# Altium PCB CSU RevA_ASCII.PcbDoc (part 2 of 5) (continued)
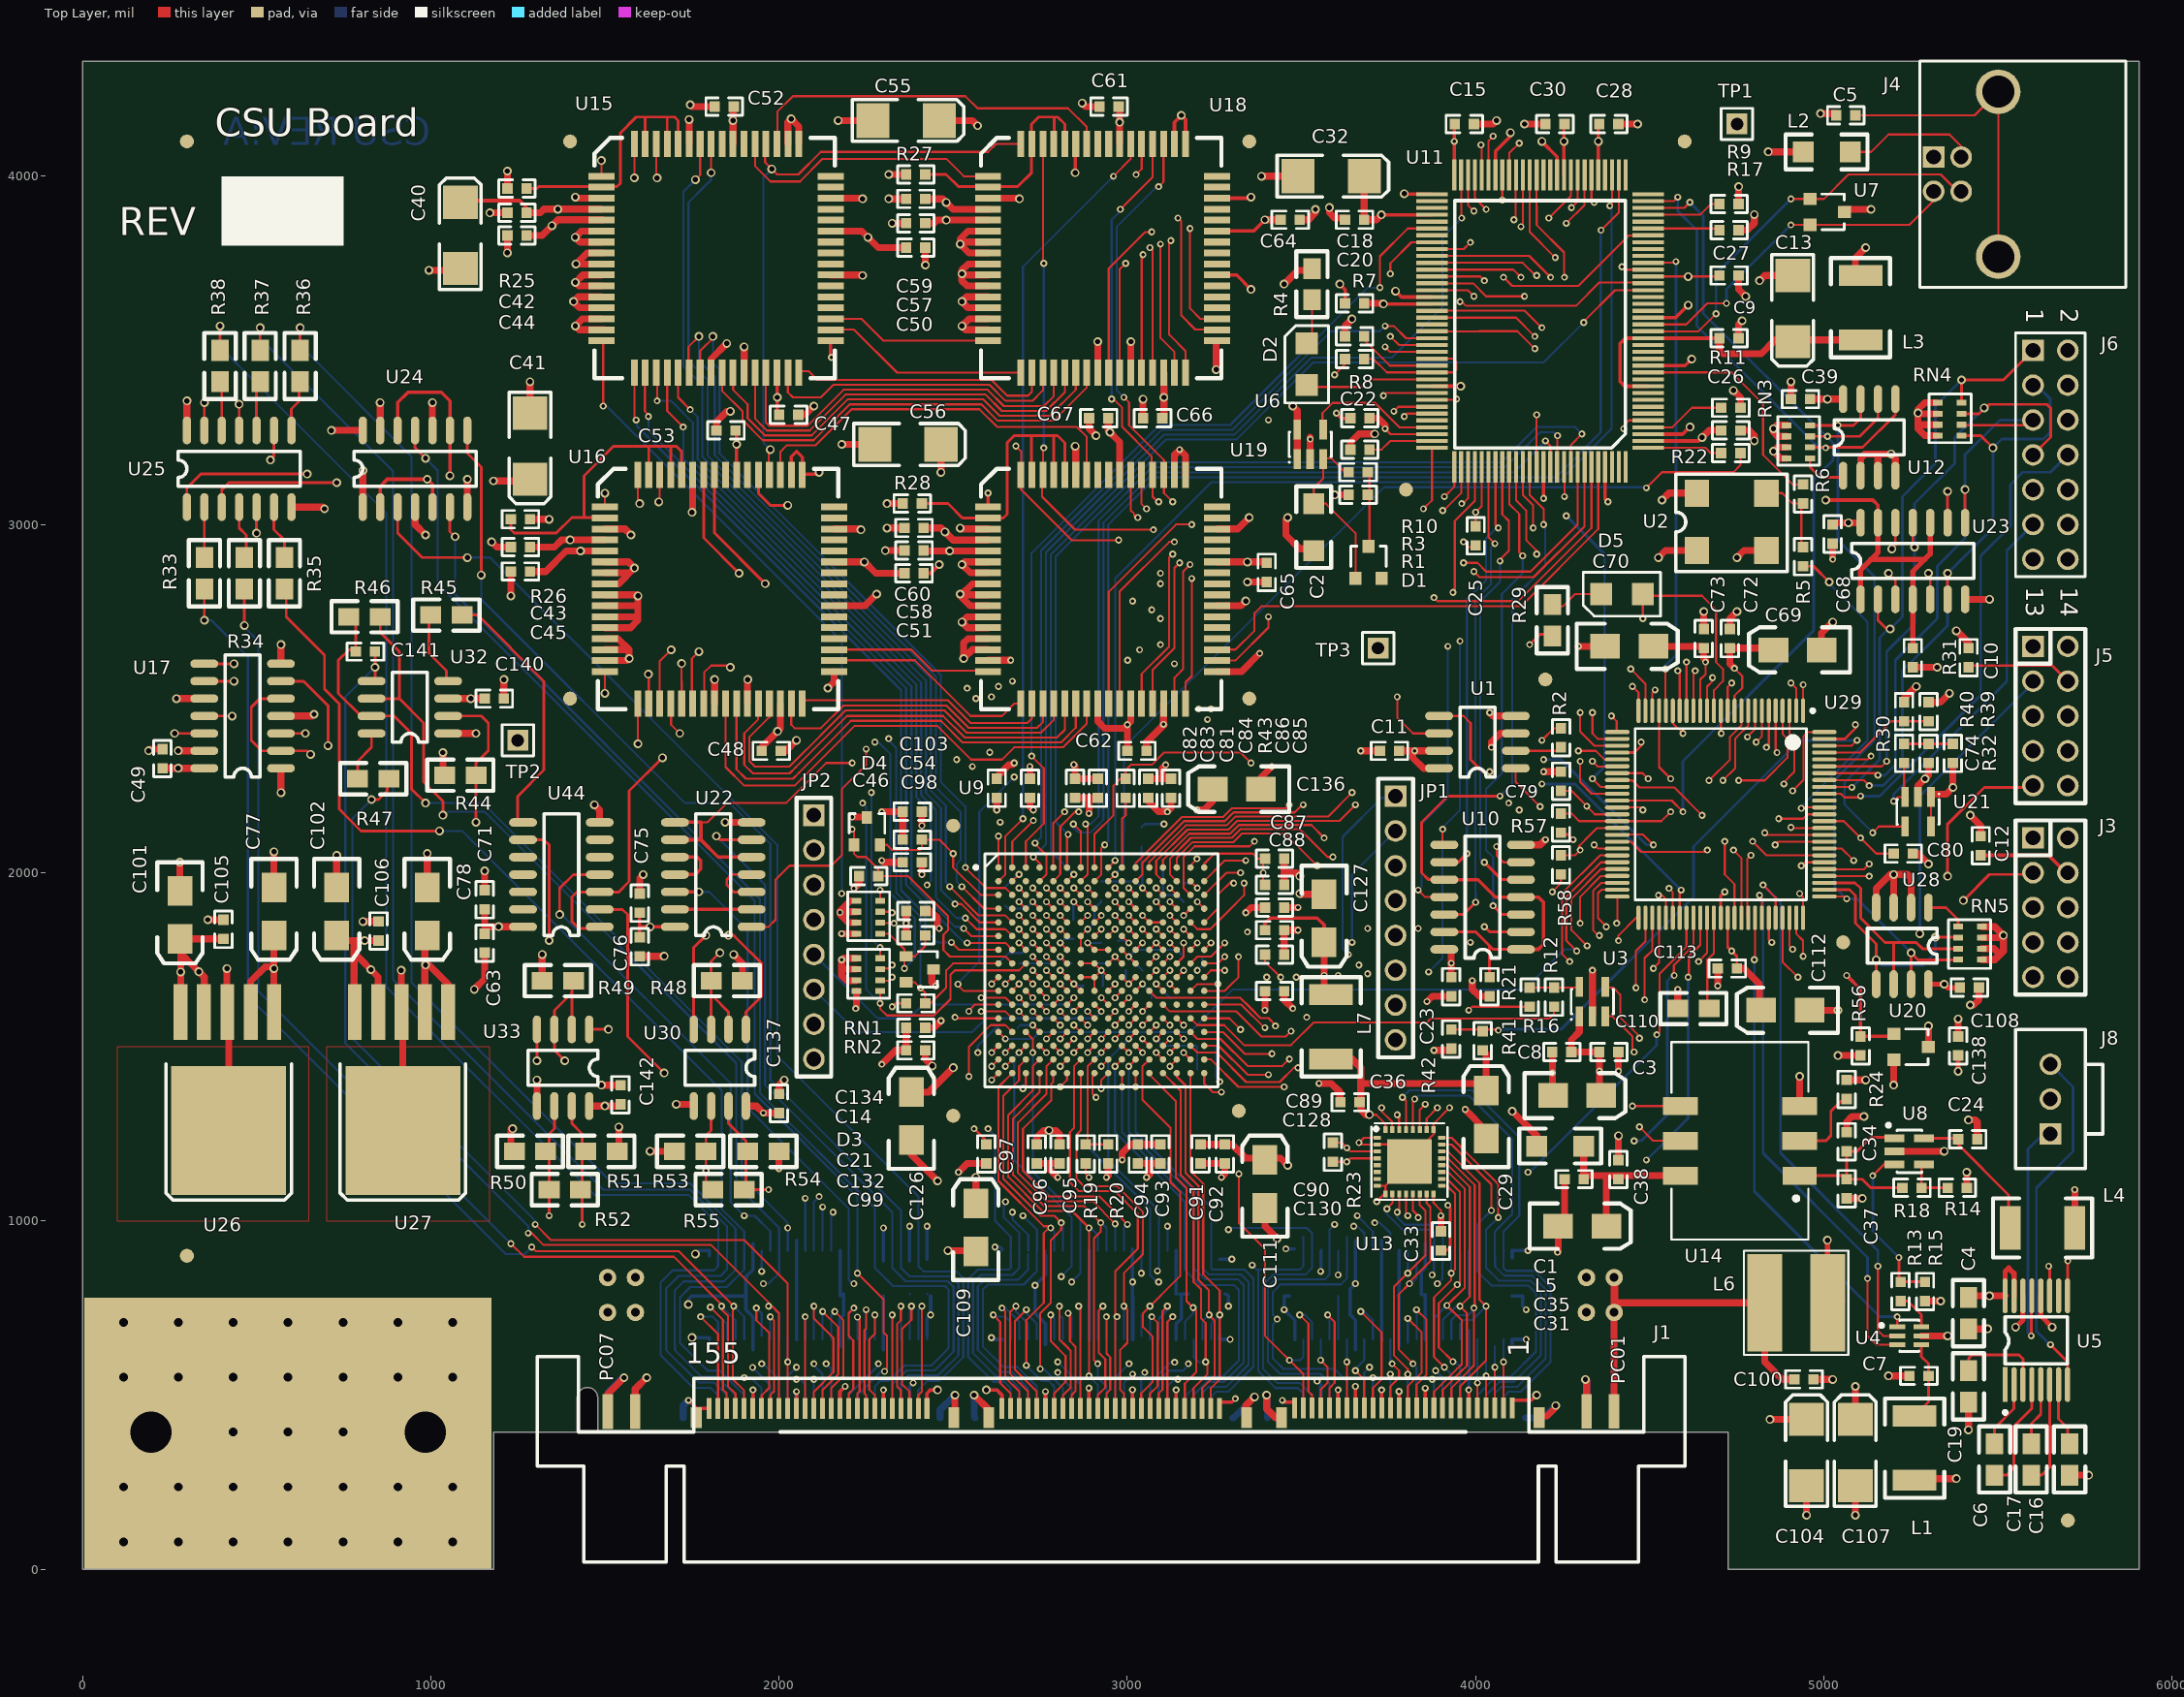
[diagram p0: Top Layer view]
## Nets (pads, with @x,y where several pads share a name; then routed paths per layer and width w, separated by ;. In a path a pad name is that pad's centre, name@x,y a point inside that pad or via, vN(x,y) a via of type N, cw(c..) or ccw(c..) an arc to the next point about the centre after c; other vN are vias at no path point) (continued)
  MidLayer1 w6: v1(2500,2055) 2670,2055 2820,2205 3418.94,2205 3493.94,2280 4030,2280 v1(4040,2290)
  MidLayer3 w6: v1(4040,2290) 4040,2210 4105,2145 4835,2145 4920,2060 5341.48,2060 5441.48,1960 5441.48,1808.52 5555,1695 5595,1695 J3.9@5600,1700
ASP_1_SEL_N: J1.95 J2.95 U29.72 | length 3369.2
  Top Layer w6: v1(2710,745) 2677,712 2677,573 2739.86,510.14 J1.95@2739.86,461.79 ; U29.72@4880.94,1870.51 4880.94,1744.06 v1(4925,1700)
  MidLayer1 w6: v1(2710,745) 2710,845 2885,1020 3633.25,1020 3690,1076.75 4456.75,1076.75 4925,1545 v1(4925,1700)
  Bottom Layer w6: v1(2710,745) 2710,735 2740,705 J2.95@2740,660 ; J2.95@2740.35,659.84 J2.95@2740.35,660
ASP_2_SEL_N: J1.96 J2.96 U29.73 | length 3497.3
  Top Layer w6: U29.73@4900.63,1870.51 4900.63,1789.37 v1(4910,1780)
  MidLayer1 w6: v1(2700,1015) 2761,1076 3610.06,1076 3622.2,1088.14 3666.8,1132.75 4033.59,1132.75 4093.84,1193 4483.92,1193 4815.92,1525 4815.92,1685.92 v1(4910,1780)
  Bottom Layer w6: v1(2700,1015) 2740.35,974.65 J2.96@2740.35,914.96 2740,914.61 2740,855 2702.2,817.2 2600,817.2 2585,802.2 2585,640 2645,580 2685,580 2739.86,525.14 J1.96@2739.86,461.79
ASP_3_SEL_N: J1.97 J2.97 U29.74 | length 3377.4
  Top Layer w6: v1(2680,755) 2663,738 2663,562 2714.86,510.14 J1.97@2714.86,461.79 ; U29.74@4920,1875 4920,1825 4940,1805 v1(4940,1760)
  MidLayer1 w6: v1(2680,755) 2680,834.8 2879.2,1034 3627.45,1034 3684.2,1090.75 4440.75,1090.75 4880,1530 4880,1700 v1(4940,1760)
  Bottom Layer w6: v1(2680,755) 2680,740 2715,705 2715,660.2 J2.97@2715.35,659.84
ASP_4_SEL_N: J1.98 J2.98 U29.75 | length 3638.3
  Top Layer w6: v1(4930,1940) 4940,1930 U29.75@4940,1870.51
  MidLayer1 w6: v1(2670,1025) 2735,1090 3604.26,1090 3661,1146.75 4030.62,1146.75 4088.87,1205 4465,1205 4780,1520 4780,1790 v1(4930,1940)
  Bottom Layer w6: v1(2670,1025) 2670,1005 2715.35,959.65 J2.98@2715.35,914.96 ; J1.98@2714.86,461.79 2714.86,520 2668.86,566 2635,566 2571,630 2571,812.2 2590,831.2 2686.2,831.2 2715,860 J2.98@2715,905
B2_SCLK: U4.2 U9.A13 U29.71 | length 3514.5
  Top Layer w6: U9.A13@3102.44,2015 3102.44,2036.86 3177.58,2112 3294.88,2112 3319.88,2137 3528,2137 v1(3565,2100) ; v1(4825,1965) 4861.26,1928.74 U29.71@4861.26,1855 ; v1(5155,870) 5155,685 5170,670 U4.2@5210.55,670
  MidLayer3 w6: v1(3565,2100) 3630,2165 3820,2165 3980,2005 4780,2005 4820,1965 v1(4825,1965)
  Bottom Layer w8: v1(4825,1965) 4875,1915 4875,1195 5155,915 v1(5155,870)
B2_SIMO: U4.3 U9.B11 U29.69 | length 3642
  Top Layer w6: U9.B11@3023.7,1975.63 3043.39,1995.32 3043.39,2028.71 3162.67,2148 3279.97,2148 3304.97,2173 3480,2173 3502,2195 v1(3505,2195) ; v1(4815,1935) 4821.89,1928.11 U29.69@4821.89,1860 ; v1(5125,835) 5125,670 5150.59,644.41 U4.3@5210.55,644.41
  MidLayer3 w6: v1(3505,2195) 3490,2180 3490,2120 3540,2070 3845,2070 3940,1975 4775,1975 v1(4815,1935)
  Bottom Layer w8: v1(4815,1935) 4825,1925 4825,1195 5125,895 v1(5125,835)
B2_SOMI: U9.F9 U29.70 | length 2075.1
  Top Layer w6: U9.F9@2944.96,1818.15 v3(2964.65,1837.83) ; U29.70@4841.57,1870.51 4841.57,1808.43 v1(4850,1800)
  MidLayer1 w6: v3(2964.65,1837.83) 2984.33,1857.52 3392.52,1857.52 3405,1870 3800,1870 3830,1840 v1(3835,1840)
  MidLayer3 w6: v1(3835,1840) 3850,1825 4055,1825 4110,1880 4450,1880 4495,1835 4815,1835 v1(4850,1800)
B3_SCL: RN5.3 U28.6 U29.78 | length 632
  Top Layer w8: U29.78@5001.02,1970.91 5089.09,1970.91 5105,1955 5105,1870 5175,1800 5265,1800 5282.99,1782.01 RN5.3@5384.99,1782.01 ; U28.6@5200,1680 5200,1800
B3_SDA: RN5.2 U28.5 U29.77 | length 678.1
  Top Layer w6: RN5.2@5380,1815 5383.5,1815 RN5.2@5384.99,1813.5
  Top Layer w8: U29.77@5001.02,1951.22 5073.78,1951.22 5090,1935 5090,1855 5150,1795 U28.5@5150,1680 ; v2(5320,1815) RN5.2@5380,1815
  Bottom Layer w8: v2(5150,1750) 5166.54,1733.46 5283.46,1733.46 5320,1770 v2(5320,1815)
B_DAT0: U11.44 U18.25 | length 1878
  Top Layer w6: U18.25@2946.46,3436 2946.46,3735 3051.46,3840 v1(3070,3840) ; U11.44@4332.36,4003.72 4332.36,3932.64 v1(4340,3925)
  MidLayer1 w6: v1(3070,3840) 3145,3840 3165,3820 3830,3820 3870,3860 4060,3860 4135,3935 4330,3935 v1(4340,3925)
B_DAT1: U11.45 U18.26 | length 1794.8
  Top Layer w6: U18.26@2977.95,3436 2977.95,3732.95 v1(2995,3750) ; v1(4260,3865) 4312.68,3917.68 U11.45@4312.68,4003.72
  MidLayer1 w6: v1(2995,3750) 4146,3750 4199.2,3803.2 4260,3864 v1(4260,3865)
B_DAT2: U11.46 U18.28 | length 1736.9
  Top Layer w6: U18.28@3040.94,3436 3040.94,3765 3045,3769.06 v1(3045,3775) ; v1(4275,3910) 4292.99,3927.99 U11.46@4292.99,4003.72
  MidLayer1 w6: v1(3045,3775) 3056,3764 4129,3764 v1(4275,3910)
B_DAT3: U11.47 U18.29 | length 1706.9
  Top Layer w6: v1(3065,3795) 3072.44,3787.56 U18.29@3072.44,3436 ; v1(4210,3880) 4273.31,3943.31 U11.47@4273.31,4003.72
  MidLayer1 w6: v1(3065,3795) 3065,3794 3081,3778 4108,3778 v1(4210,3880)
B_DAT4: U11.54 U18.31 | length 1604
  Top Layer w6: v1(3095,3805) 3095,3535.43 3135.43,3495 U18.31@3135.43,3436 ; v1(4130,3855) 4135.51,3860.51 U11.54@4135.51,4003.72 U11.54@4135,4003.2
  MidLayer1 w6: v1(3095,3805) 3108,3792 3852,3792 3896,3836 4111,3836 v1(4130,3855)
B_DAT5: U11.55 U18.32 | length 1552.7
  Top Layer w6: v1@3120,3815 3120,3545 3166.93,3498.07 U18.32@3166.93,3436 ; v1(4110,3875) 4115,3880 4115,4002.89 U11.55@4115.83,4003.72 U11.55@4115.83,4002.89
  MidLayer1 w6: v1@3120,3815 3129,3806 3841,3806 3883,3848 4083,3848 v1(4110,3875)
  other v1: 3125,3815
B_DAT6: U11.56 U18.34 | length 1610.3
  Top Layer w6: v1(3145,3880) 3155,3870 3155,3600 3195,3560 U18.34@3260,3560 ; U11.56@4095,4004.86 U11.56@4096.14,4003.72 4096.14,4066.14 v1(4125,4095)
  MidLayer1 w6: v1(3145,3880) 3150,3885 3205,3885 3242,3848 3823,3848 4039.9,4064.9 4070,4095 v1(4125,4095)
B_DAT7: U11.57 U18.35 | length 1335.9
  Top Layer w6: v1(3180,3850) 3180,3620 3209.45,3590.55 U18.35@3258,3590.55 ; v1(4076.46,3931.46) U11.57@4076.46,4003.72
  MidLayer1 w6: v1(3180,3850) 3190,3850 3206,3834 3825.97,3834 3923.43,3931.46 v1(4076.46,3931.46)
B_DAT8: U11.102 U19.25 | length 1517
  Top Layer w6: U19.25@2946.46,2486 2946.46,2806.46 3140,3000 v1(3185,3000) ; v1(3850,3045) 3874.45,3069.45 U11.102@3874.45,3220
  MidLayer1 w6: v1(3185,3000) 3196,2989 3794,2989 v1(3850,3045)
B_DAT9: U11.103 U19.26 | length 1467.1
  Top Layer w6: U19.26@2977.95,2486 2977.95,2807.95 3120,2950 v1(3135,2950) ; v1(3910,3080) 3938.66,3108.66 U11.103@3938.66,3165.63
  MidLayer1 w6: v1(3135,2950) 3160,2975 3810,2975 3910,3075 v1(3910,3080)
B_DAT10: U11.104 U19.28 | length 1457.3
  Top Layer w6: U19.28@3040.94,2486 3040.94,2570.94 3120,2650 3120,2905 v1(3130,2915) ; v1(3905,3040) 3908.35,3040 3958.35,3090 3958.35,3176.65 U11.104@3955.57,3179.43
  MidLayer1 w6: v1(3130,2915) 3135,2915 3180,2960 3825,2960 v1(3905,3040)
B_DAT11: U11.105 U19.29 | length 1431.4
  Top Layer w6: U19.29@3072.44,2486 3072.44,2582.64 3135,2645.2 3135,2875 v1(3150,2890) ; v1(3960,3060) 3963.03,3060 3978.03,3075 U11.105@3978.03,3165.63
  MidLayer1 w6: v1(3150,2890) 3155,2890 3205,2940 3840,2940 v1(3960,3060)
B_DAT12: U11.121 U19.31 | length 1789.3
  Top Layer w6: U19.31@3135.43,2486 3135.43,2560.43 3142.38,2567.38 3160,2585 3160,2865 v1(3180,2885) ; v1(3965,2890) 4005,2890 4030,2865 4157.99,2865 4292.99,3000 U11.121@4292.99,3165.63
  MidLayer1 w6: v1(3180,2885) 3215,2920 3935,2920 v1(3965,2890)
B_DAT13: U11.122 U19.32 | length 1743.4
  Top Layer w6: U19.32@3166.93,2486 3166.93,2546.93 3185,2565 v1(3185,2845) ; v1(3995,2865) 4011.34,2848.66 4166.33,2848.66 4312.68,2995 U11.122@4312.68,3165.63
  MidLayer1 w6: v1(3185,2845) 3190,2845 3205,2860 v1@4000,2860
B_DAT14: U11.123 U19.34 | length 1434.2
  Top Layer w6: U19.34@3258,2609.06 3310,2609.06 3405,2704.06 v1(3405,2735) ; v1(3880,2790) 3890,2780 4122.36,2780 4332.36,2990 U11.123@4332.36,3165.63
  MidLayer1 w6: v1(3405,2735) 3460,2790 v1(3880,2790)
B_DAT15: U11.124 U19.35 | length 1445.4
  Top Layer w6: U19.35@3258,2640.55 3310.55,2640.55 3365,2695 3365,2745 3385,2765 4130,2765 4352.05,2987.05 U11.124@4352.05,3165.63
B_INTERFACE_RESET_N: J1.142 J2.142 U44.4 | length 2028.5
  Top Layer w8: v2(1370,1880) 1370,1955 1409.57,1994.57 U44.4@1484.96,1994.57
  MidLayer2 w6: v1(1900,1015) 1900,603.35 v1(1924.18,579.18) v1@1925,580
  Bottom Layer w6: v2(1370,1880) 1376,1880 1861,1395 1861,1054 v1(1900,1015) 1930,1015 1975.2,969.8 J2.142@1975.2,914.96 ; v1(1924.18,579.18) 1974.71,528.65 J1.142@1974.71,461.79
B_SCLK: J1.118 J2.118 U24.6 | length 3421.8
  Top Layer w8: U24.6@1055,3055 1055,2980 v2(1070,2965)
  Bottom Layer w6: v2(1070,2965) 1070,2800 1945,1925 1945,1367.17 2275.2,1036.97 2275.2,865 2327.2,813 2477,813 2487,803 2487,635 2437,585 2360,585 2315.5,540.5 2290.5,540.5 2274.71,524.71 J1.118@2274.71,461.79
B_SIMO: J1.122 J2.122 U24.11 | length 3411.2
  Top Layer w6: v1(2225,850) 2300,775 2300,680 2310,670 2310,575 v1(2303,568)
  Top Layer w8: U24.11@955,3270 955,3220 v2(985,3190)
  Bottom Layer w6: v2(985,3190) 1020,3155 1020,2830 1930,1920 1930,1365.2 2225.2,1070 J2.122@2225.2,920 ; J1.122@2224.71,461.79 J1.122@2224.71,485.6 ; J1.122@2224.71,485 2225.31,485.6 2225.31,500 2269.95,544.64 2293.31,568 v1(2303,568) ; v1(2225,850) J2.122@2225,920
B_SOMI: J1.124 J2.124 U22.12 | length 1832
  Top Layer w10: U22.12@1700,1945 v2(1770,1945)
  MidLayer2 w6: v1(2215,820) 2300,735 2300,605 v1(2285,590)
  Bottom Layer w6: v2(1770,1945) 1800,1945 1910,1835 1910,1325.2 2200.2,1035 J2.124@2200.2,914.96 ; J1.124@2199.71,461.79 2199.71,499.71 2285,585 v1(2285,590) ; J2.124@2200,910 2200,830 v1@2215,815
CDAT0: U9.E6 U11.59 | length 3257.7
  Top Layer w6: v3(2807.17,1877.2) U9.E6@2826.85,1857.52 ; U11.59@4037.09,4003.72 4037.09,4102.09 v1(4050,4115)
  MidLayer2 w6: v3(2807.17,1877.2) 2787.48,1896.89 2787.48,2037.52 2782,2043 2782,3037 3045,3300 3325,3300 3510,3485 3755,3485 3759.06,3489.06 3800,3530 3800,3920 3995,4115 v1(4050,4115)
CDAT1: U9.A5 U11.60 | length 2963.6
  Top Layer w6: U9.A5@2787.48,2015 2787.48,2142.48 v1(2820,2175) ; v1(4015,4090) 4017.4,4087.6 U11.60@4017.4,4003.72
  MidLayer2 w6: v1(2820,2175) 2820,3030 3060,3270 3465,3270 3666,3471 3761,3471 3815,3525 3815,3890 v1(4015,4090)
CDAT2: U9.B5 U11.61 | length 2940.8
  Top Layer w6: U9.B5@2787.48,1975.63 2807.17,1995.32 2807.17,2132.17 2850,2175 v1(2860,2175) ; U11.61@3997.72,4003.72 3997.72,3937.28 v1(4030,3905)
  MidLayer2 w6: v1(2860,2175) 2870,2185 2870,3060.2 3065.8,3256 3470.8,3256 3671.8,3457 3767,3457 3845,3535 3845,3835 3919.59,3909.59 3937.3,3927.3 4007.7,3927.3 v1(4030,3905)
CDAT3: U9.D6 U11.62 | length 2971.6
  Top Layer w6: v3(2807.17,1916.57) U9.D6@2826.85,1896.89 ; U11.62@3978.03,4003.72 3978.03,3916.97 v1(3995,3900)
  MidLayer2 w6: v3(2807.17,1916.57) 2826.85,1936.26 2826.85,2054.52 2912.33,2140 2912.33,2341.67 2884,2370 2884,3054.4 3069.6,3240 3475,3240 3670,3435 3775,3435 3870,3530 3870,3835 3935,3900 v1(3995,3900)
CDAT4: U9.A4 U11.63 | length 2761
  Top Layer w6: v1(2730,2045) 2750,2025 U9.A4@2750,2015 ; U11.63@3958.35,4003.72 3958.35,3881.65 v1(3960,3880)
  Bottom Layer w6: v1(2730,2045) 2766.35,2081.35 2766.35,2919.66 3104.2,3257.51 3306.6,3257.51 3528.09,3479 3759,3479 3905,3625 3905,3825 v1(3960,3880)
CDAT5: U9.B4 U11.86 | length 2392.9
  Top Layer w6: v1(2735,2085) 2735,2082.8 2767.8,2050 2767.8,1995.32 U9.B4@2748.11,1975.63 ; v1(3740,3570) 3764.96,3570 3800,3534.96 U11.86@3874.45,3534.96 ; U11.86@3874.45,3535 U11.86@3885,3535
  Bottom Layer w6: v1(2735,2085) 2746.96,2096.96 2752.35,2102.35 2752.35,2925.46 3098.4,3271.51 3300.8,3271.51 3542.34,3513.05 3543.05,3513.05 3585,3555 3725,3555 v1(3740,3570)
CDAT6: U9.A2 U11.87 | length 2476.3
  Top Layer w6: U9.A2@2669.37,2015 2669.37,2089.37 v1(2730,2150) ; v1(3755,3540) 3779.72,3515.28 U11.87@3874.45,3515.28
  MidLayer2 w6: v1(2730,2150) 2750,2170 2750,3170 2910,3330 3295,3330 3505,3540 v1(3755,3540)
CDAT7: U9.D5 U11.88 | length 2476.5
  Top Layer w6: v3(2767.8,1916.57) U9.D5@2787.48,1896.89 ; v1(3740,3510) 3754.41,3495.59 3865,3495.59 U11.88@3874.45,3495.59
  MidLayer2 w6: v3(2767.8,1916.57) 2748.11,1936.26 2748.11,2028.11 2770,2050 2770,3045 3000.19,3275.19 3040,3315 3305,3315 3500,3510 v1(3740,3510)
CLK_0N: J1.5 J2.5 U13.30 | length 1132.6
  Top Layer w6: v1(3775,1305) 3780,1300 U13.30@3780,1265 ; U13.30@3780.47,1262.52 U13.30@3780.47,1265 ; v1(4055,580) 4055,585 4055.21,584.79 J1.5@4055.21,462.85
  MidLayer2 w6: v1(3775,1305) 3805,1305 4106,1004 4106,656 4055,605 v1(4055,580)
  Bottom Layer w6: v1(4055,580) J2.5@4055,640
CLK_0P: J1.3 J2.3 U13.31 | length 1234.9
  Top Layer w6: v1(3730,1325) 3730,1315 3760,1285 U13.31@3760,1265 ; U13.31@3760.79,1262.52 U13.31@3760.79,1265 ; J1.3@4080,465 v1(4080,595)
  MidLayer2 w6: v1(3730,1325) 3735,1330 3815,1330 4120,1025 4120,635 v1(4080,595)
  Bottom Layer w6: v1(4080,595) 4080,659.33 J2.3@4080.51,659.84
CLK_1N: J1.6 J2.6 U13.28 | length 1413.9
  Top Layer w6: U13.28@3819.84,1262.52 3819.84,1290 ; 3820,1290 3820,1345 v1(3825,1350)
  Bottom Layer w6: v1(3825,1350) 3835,1360 3980.2,1360 4105,1235.2 4105,1020 4055,970 4055,900.51 J2.6@4055.51,900 ; J1.6@4055.21,462.85 4055,463.05 4055,505 4074,524 4120,524 4201,605 4201,804.2 4162.48,842.72 4082.28,842.72 4055.51,869.49 J2.6@4055.51,900.51
CLK_1P: J1.4 J2.4 U13.29 | length 1471.5
  Top Layer w6: v1(3790,1355) 3800.16,1344.84 U13.29@3800.16,1262.52
  Bottom Layer w6: v1(3790,1355) 3810,1375 3990,1375 4125,1240 4125,1015 4080,970 4080,865 4088.28,856.72 4168.28,856.72 4215,810 4215,595 4130,510 4095,510 4080.21,495.21 J1.4@4080.21,462.85 ; J2.4@4080,914.45 J2.4@4080.51,914.96
CLK_2N: J1.9 J2.9 U13.26 | length 1344.9
  Top Layer w6: U13.26@3859.21,1262.52 3859.21,1294.21 v1(3890,1325) ; v1(4005,535) 4005,463.05 J1.9@4005.21,462.85
  MidLayer2 w6: v1(3890,1325) 4200,1015 4200,605 4178.47,583.47 4130,535 v1(4005,535)
  Bottom Layer w6: v1(4005,535) 4005,659.33 J2.9@4005.51,659.84
CLK_2P: J1.7 J2.7 U13.27 | length 1313.6
  Top Layer w6: U13.27@3839.53,1262.52 3839.53,1319.53 v1(3855,1335) ; v1(4030,555) 4030.21,554.79 J1.7@4030.21,462.85
  MidLayer2 w6: v1(3855,1335) 3855,1325 4186,994 4186,616 4125,555 v1(4030,555)
  Bottom Layer w6: v1(4030,555) 4030,659.33 J2.7@4030.51,659.84
CLK_3N: J1.10 J2.10 U13.23 | length 1074.4
  Top Layer w6: U13.23@3902.52,1219.21 3930.79,1219.21 4018.89,1131.11 4045,1105 v1(4045,1030)
  Bottom Layer w6: J1.10@4005.21,462.85 4005,463.05 4005,500 4057,552 4100,552 4173,625 4173,792.6 4150.88,814.72 4045.28,814.72 4005.51,854.49 4005.51,990.51 v1(4045,1030)
CLK_3P: J1.8 J2.8 U13.24 | length 1082.3
  Top Layer w6: U13.24@3902.52,1238.9 3931.1,1238.9 3995.74,1174.26 4065,1105 v1(4065,1010)
  Bottom Layer w6: J1.8@4030.21,462.85 4030,463.05 4030,500 4068,538 4110,538 4187,615 4187,798.4 4156.68,828.72 4066.28,828.72 4030,865 4030,975 v1(4065,1010)
CLK_4N: J1.15 J2.15 U13.21 | length 931.6
  Top Layer w6: U13.21@3902.52,1179.84 3920.36,1179.84 3997,1103.2 3997,752 v1(3995,750) 3995,585 3987.61,577.61 3987.61,577.2 3930.21,519.8 J1.15@3930.21,462.85
  Bottom Layer w6: J2.15@3930.51,659.84 3930.51,715.51 3938.81,723.81 ; 3938.81,723.81 3944.79,729.79 3979.79,729.79 3995,745 v1(3995,750)
CLK_4P: J1.13 J2.13 U13.22 | length 971.7
  Top Layer w6: U13.22@3902.52,1199.53 3920.47,1199.53 4011,1109 4011,773.88 v1(4029.88,755) 4029.88,599.67 3955.21,525 J1.13@3955.21,462.85
  Bottom Layer w6: J2.13@3955.51,659.84 3955.51,705.51 3965.79,715.79 3990.91,715.79 4030,754.88 v1(4029.88,755)
CLK_5N: J1.19 J2.19 U13.19 | length 897.1
  Top Layer w6: J1.19@3880,465 3880,509.19 3946.96,576.15 3960,589.19 3960,714.59 v1(3917.29,757.29) 3969,809 3969,1091.6 3920.13,1140.47 U13.19@3902.52,1140.47
  Bottom Layer w6: J2.19@3880,665 3880,720 v1@3920,760
CLK_5P: J1.17 J2.17 U13.20 | length 911.3
  Top Layer w6: U13.20@3902.52,1160.16 3920.24,1160.16 3983,1097.4 3983,783 v1(3955,755) 3975,735 3975,584.39 3956.23,565.62 3905.21,514.6 J1.17@3905.21,462.85
  Bottom Layer w6: J2.17@3905.51,659.84 3905.51,715.51 3945,755 v1(3955,755)
CLK_6N: J1.16 J2.16 U13.17 | length 774
  Top Layer w6: U13.17@3902.52,1101.1 3917.1,1101.1 3941,1077.2 3941,861 v1(3930,850) 3930,830 3880,780 3880,610 v1(3910,580)
  Bottom Layer w6: v1(3910,580) 3930.21,559.79 J1.16@3930.21,462.85 ; v1(3930,850) 3930,914.45 J2.16@3930.51,914.96
CLK_6P: J1.14 J2.14 U13.18 | length 851.2
  Top Layer w6: U13.18@3902.52,1120.79 3917.21,1120.79 3955,1083 3955,825 3894,764 3894,637.01 v1(3935,596.01)
  Bottom Layer w6: v1(3935,596.01) 3935,600 3955.21,579.79 J1.14@3955.21,462.85 ; v1@3945,815 3955.51,825.51 J2.14@3955.51,914.96
  other v1: 3947.13,817.13
CLK_7N: J1.26 J2.26 U13.14 | length 741.1
  Top Layer w6: v1(3805.21,559.79) 3805.21,574.79 3765,615 3765,810 3856,901 3856,1029 3839.53,1045.47 U13.14@3839.53,1077.48
  Bottom Layer w6: v1@3805,559.59 v1(3805.21,559.79) J1.26@3805.21,462.85 ; v1(3805,850) J2.26@3805,914.96
CLK_7P: J1.24 J2.24 U13.15 | length 784.3
  Top Layer w6: v1(3820,590) 3779,631 3779,789 v1(3810,820) 3810,825 3870,885 3870,1040 3859.21,1050.79 U13.15@3859.21,1077.48
  Bottom Layer w6: v1(3810,820) 3815,820 3830,835 3830,914.45 J2.24@3830.51,914.96 ; v1(3820,590) 3830,580 3830,550 ; J1.24@3830.21,462.85 3830.21,550
CLK_8N: J1.25 J2.25 U13.12 | length 752.1
  Top Layer w6: U13.12@3800,1075 3800,1020 v1(3805,1015) ; v1(3805,720) 3845,680 3845,565 3805.21,525.21 J1.25@3805.21,462.85
  MidLayer2 w6: v1(3805,720) 3763,762 3763,973 v1(3805,1015)
  Bottom Layer w6: J2.25@3805,650 v1(3805,720)
CLK_8P: J1.23 J2.23 U13.13 | length 776.3
  Top Layer w6: U13.13@3819.84,1077.48 3819.84,1029.86 3835,1014.7 v1(3835,1010) ; J1.23@3830,470 3830,530.2 3859,559.2 3859,716 v1(3830,745) ; J1.23@3830.21,462.85 J1.23@3830.21,470
  MidLayer2 w6: v1(3830,745) 3777,798 3777,952 v1(3835,1010)
  Bottom Layer w6: v1(3830,745) 3830.51,744.49 J2.23@3830.51,659.84
CLK_9N: J1.20 J2.20 U13.10 | length 745.8
  Top Layer w6: v1(3745,1035) 3760.79,1050.79 U13.10@3760.79,1077.48
  MidLayer2 w6: v1@3870,840 3855,825 3855,565 v1(3875,545)
  Bottom Layer w6: v1(3745,1035) 3745,1020 3790,975 3875,975 3880.51,969.49 J2.20@3880.51,940 ; v1@3870,840 3880,850 J2.20@3880,940 ; v1@3880,545 3880.21,544.79 J1.20@3880.21,462.85
  other v1: 3875,845
CLK_9P: J1.18 J2.18 U13.11 | length 756.1
  Top Layer w6: v1(3775,1025) 3780.47,1030.47 U13.11@3780.47,1077.48 ; U13.11@3780,1077.48 U13.11@3780,1080
  MidLayer2 w6: v1(3885,570) 3869,586 3869,799 v1(3890,820)
  Bottom Layer w6: v1(3775,1025) 3775,1009.8 3795.8,989 3886,989 3905.51,969.49 J2.18@3905.51,880 ; v1(3885,570) 3905,550 3905,520 ; v1(3890,820) 3905,835 J2.18@3905,880 ; J1.18@3905.21,462.85 3905.21,520
CLK_24_OUT: R43.1 U9.A10 | length 204.4
  Top Layer w6: U9.A10@2984.33,2015 2984.33,2154.33 2995,2165 R43.1@2995,2214.99
CLK_24MSP: R5.2 U29.89 | length 934.9
  Top Layer w6: v1(4935,2185) 4937.44,2187.44 U29.89@5001.02,2187.44
  Top Layer w8: R5.2@4939.99,2880 4970,2880 v2(5015,2835)
  Bottom Layer w6: v1(4935,2185) 4935,2190 5125,2380 5125,2720 5015,2830 v2(5015,2835)
CLK_48_M: R22.2 U9.B9 | length 2545.3
  Top Layer w6: U9.B9@2944.96,1975.63 v3(2964.65,1995.32) ; v1(4490,3105) 4535,3150 4740,3150 4760,3170 R22.2@4760,3204.99
  Bottom Layer w6: v3(2964.65,1995.32) 2989.28,2019.95 2989.28,2115 2990,2115.72 2990,2360 3737.11,3107.11 4487.89,3107.11 v1(4490,3105)
CLK_100: R16.2 U9.T8 | length 1436.4
  Top Layer w6: U9.T8@2905.59,1424.45 2905.59,1419.69 2899.91,1414 2899.91,1365.09 v1(2910,1355) ; v1(3980,1605) 3989.99,1614.99 R16.2@4155,1614.99
  MidLayer1 w6: v1(2910,1355) 2919.29,1345.71 3455.71,1345.71 3680,1570 3945,1570 v1(3980,1605)
CLK_100_A: R12.2 U9.M15 | length 1133
  Top Layer w6: U9.M15@3181.18,1581.93 3200.87,1562.24 3277.76,1562.24 3335,1505 3470,1505 3535,1570 3860,1570 3871.03,1581.03 4211.03,1581.03 4225,1595 R12.2@4225,1614.99
CONF_DONE: J3.3 RN1.2 U9.H14 U11.78 | length 5985.2
  Top Layer w6: RN1.2@2290.01,1855 v1(2330,1855) ; U9.H14@3141.81,1739.41 3161.5,1759.09 v3(3161.5,1798.46) ; U11.78@3874.45,3692.44 3992.56,3692.44 4030,3655 v1(4140,3655)
  Top Layer w8: v2(5400,1920) 5475,1995 5595,1995 J3.3@5600,2000
  MidLayer1 w6: v3(3161.5,1798.46) 3163.46,1798.46 3185,1820 3335,1820 v1(3345,1830)
  MidLayer2 w6: v1(3345,1830) 3420,1905 3420,2270 3465,2315 3465,2650 3815.2,3000.2 3815.2,3045 3887.02,3116.82 4098.89,3328.69 4117,3346.8 4117,3632 v1(4140,3655)
  MidLayer3 w6: v1(2330,1855) 2406.22,1778.78 2630,1778.78 2669.37,1818.15 3141.81,1818.15 v3(3161.5,1798.46) ; v1(3345,1830) 3385,1870 4058.03,1870 4098.03,1910 4455,1910 4470.63,1894.37 4495,1870 5350,1870 v2(5400,1920)
CONVST: J1.29 J2.29 U9.J16 | length 1641.4
  Top Layer w6: U9.J16@3220.55,1700.04 3240.24,1719.72 v1(3279.61,1719.72) ; J1.29@3755,465 3755,525 3780,550 3780,570 v1(3760,590)
  MidLayer2 w6: v1(3279.61,1719.72) 3330.28,1719.72 3590,1460 3590,1149 3709.93,1029.07 3749,990 3749,601 v1(3760,590)
  Bottom Layer w6: J2.29@3755.51,659.84 3755,659.33 3755,600 3760,595 v1(3760,590)
DAC_CS_N: U4.1 U29.68 | length 1385.2
  Top Layer w6: v1(4800,1750) 4802.2,1752.2 U29.68@4802.2,1870.51 ; v1(5210,725) 5210,730 5210.55,729.45 U4.1@5210.55,695.59
  Bottom Layer w8: v1(4800,1750) 4800,1085 5160,725 v1(5210,725)
DATA: C46.1 D4.1 J3.7 R2.2 U9.H2 | length 4572.5
  Top Layer w6: v1(2210,2125) 2215,2120 2215,2055 2225.01,2044.99 2250.01,2044.99 2285,2010 C46.1@2285,1990.01 ; C46.1@2290,1990 2370,1990 2485,1875 2485,1835 2472.02,1822.02 2472.02,1777.98 2490.91,1759.09 2649.68,1759.09 U9.H2@2669.37,1739.41 ; v1(4190,2380) 4225,2415 R2.2@4245.01,2415
  MidLayer1 w6: v1(2210,2125) 2215,2130 2295,2130 2410,2245 3425,2245 3440.34,2260.34 3502,2322 4132,2322 v1(4190,2380)
  MidLayer3 w6: v1(4190,2380) 4350,2380 4440,2290 4885,2290 5040,2135 5320,2135 5535,1920 5535,1855 J3.7@5590,1800
DC_HOLD: J1.47 J2.47 U9.J13 | length 1577.3
  Top Layer w6: U9.J13@3102.44,1700.04 v3(3122.13,1719.72) ; v1(3495,730) 3520,705 3520,510 3530,500 J1.47@3530,462.85
  MidLayer2 w6: v3(3122.13,1719.72) 3122.13,1717.87 3226.69,1613.31 3226.69,998.31 3285,940 3335,940 3495,780 v1(3495,730)
  Bottom Layer w6: v1(3495,730) 3510,730 3530.51,709.49 J2.47@3530.51,659.84 J2.47@3530,660.35
DCLK: C21.1 D3.2 J3.1 U1.6 U9.H1 | length 4829.1
  Top Layer w6: D3.2@2365,1685.2 2389.8,1685.2 2420,1655 C21.1@2420,1635 ; C21.1@2420,1625.01 2435.01,1625.01 2480,1670 2480,1720 2499.41,1739.41 U9.H1@2630,1739.41 ; v1(3775,2505) 3775,2445 3820,2400 U1.6@3895,2400
  MidLayer3 w6: v1(2315,2385) 2380,2450 2780,2450 2835,2505 v1(3775,2505) 3790,2490 4120,2490 4185,2425 4338.94,2425 4443.94,2320 4902,2320 5063,2159 5360,2159 5419,2100 J3.1@5600,2100
  Bottom Layer w6: v1(2315,2385) 2315,2380 2336,2359 2336,1944 2406.08,1873.92 v1(2406.08,1668.92)
DRV_1_SEL_N: J1.99 J2.99 U29.58 | length 3089.5
  Top Layer w6: v1(2640,750) 2649,741 2649,551 2689.86,510.14 J1.99@2689.86,461.79 ; v1(4520,1535) 4528.33,1543.33 4528.33,1710.4 4543.36,1725.44 4605.35,1787.43 U29.58@4605.35,1870.51
  MidLayer1 w6: v1(2640,750) 2640,870 2818,1048 3621.66,1048 3678.4,1104.75 4114.75,1104.75 v1(4150,1140)
  Bottom Layer w6: v1(2640,750) 2650,750 2690,710 J2.99@2690,670 ; J2.99@2690.35,659.84 J2.99@2690.35,670
  Bottom Layer w8: v1(4150,1140) 4155,1140 4520,1505 v1(4520,1535)
DRV_2_SEL_N: J1.100 J2.100 U29.59 | length 3399.8
  Top Layer w6: v1(4570,1705) 4569.07,1705.93 4569.07,1734.18 4625.04,1790.15 U29.59@4625.04,1870.51
  MidLayer1 w6: v1(2650,1055) 2699,1104 3598.46,1104 3641.45,1146.99 3655.21,1160.75 4027.64,1160.75 4086.9,1220 4445,1220 v1(4455,1230)
  Bottom Layer w6: v1(2650,1055) 2645.52,1050.52 2645.52,1009.48 2690,965 J2.100@2690,915 ; J1.100@2689.86,461.79 2689.86,520.14 2658,552 2625,552 2557,620 2557,822.2 2580,845.2 2670.2,845.2 2690,865 2690,914.61 J2.100@2690.35,914.96
  Bottom Layer w8: v1(4455,1230) 4475,1230 4550,1305 4550,1690 4565,1705 v1(4570,1705)
DRV_3_SEL_N: J1.101 J2.101 U29.60 | length 3300.1
  Top Layer w6: v1(2615,730) 2635,710 2635,534.86 2664.86,505 J1.101@2664.86,461.79 ; v1(4610,1700) 4612.32,1702.32 4612.32,1760.45 4644.72,1792.86 U29.60@4644.72,1870.51
  MidLayer1 w6: v1(2615,730) 2615,865 2812,1062 3615.86,1062 3633.35,1079.5 3672.6,1118.75 4036.56,1118.75 4097.81,1180 4485,1180 v1(4490,1175)
  Bottom Layer w6: v1(2615,730) 2620,725 2650,725 2665.35,709.65 J2.101@2665.35,659.84 J2.101@2665,660.2
  Bottom Layer w8: v1(4490,1175) 4610,1295 v1(4610,1700)
DRV_4_SEL_N: J1.102 J2.102 U29.61 | length 3377.3
  Top Layer w6: v1(4640,1745) 4664.41,1769.41 U29.61@4664.41,1870.51
  MidLayer3 w6: v1(2600,1265) 2640,1305 3585,1305 3675,1395 4075,1395 4418.88,1738.88 4425,1745 v1(4640,1745)
  Bottom Layer w6: v1@2600,1270 v1(2600,1265) 2620,1245 2620,1000 2665.35,954.65 J2.102@2665.35,920 ; J1.102@2664.86,461.79 2664.86,520.14 2647,538 2615,538 2543,610 2543,833 2570,860 2660,860 2665.35,865.35 J2.102@2665.35,914.96
E: 
FIFO_RESET_N: U9.M16 U11.72 U15.62 U16.62 U18.62 U19.62 | length 6562.7
  Top Layer w6: U15.62@1647.48,4093 1647.48,3997.52 v2(1650,3995) ; v2(1655,3065) 1657.48,3067.48 U16.62@1657.48,3143 ; U19.62@2755,3150 2755,3080 2850,2985 v1(3075,2985) ; U19.62@2757.48,3143 2757.48,3217.48 v1(2760,3220) ; U18.62@2757.48,4093 2757.48,3752.52 v1(2760,3750) ; U9.M16@3220.55,1581.93 3293.07,1581.93 v1(3325,1550) ; v1(3755,3720) 3755,3750 3815.55,3810.55 U11.72@3874.45,3810.55
  MidLayer1 w6: v2(1655,3065) 1775,3185 2725,3185 v1(2760,3220) ; v1(2760,3750) 2760,3745 2785,3720 v1(3755,3720)
  MidLayer2 w6: v2(1650,3995) 1690,3955 1690,3095 1660,3065 v2(1655,3065) ; v1(3075,2985) 3062.8,2972.8 3062.8,2829.17 3183,2708.97 3183,2440.03 3232.55,2390.48 3232.55,1889.2 3220.55,1877.2 3220.55,1739.49 3260,1700.04 3275,1700.04 3325,1650.04 v1(3325,1550)
  Bottom Layer w6: v1(2760,3220) v1(2760,3750)
FIFO_TRANS_CLK: U9.E10 U15.52 U16.52 U18.64 U19.64 | length 4069.9
  Top Layer w6: U15.52@1962.44,4093 1960,4090.56 1960,4040 1995,4005 2055,4005 2120,4070 2600,4070 2623,4093 U18.64@2694.49,4093 ; U16.52@1972.44,3143 1970,3145.44 1970,3205 1975,3210 v2(1975,3215) ; v1(2680,3225) 2695,3210 2695,3143.51 U19.64@2694.49,3143 2694.49,3100.51 2840,2955 v1(2975,2955) ; v3(2964.65,1877.2) U9.E10@2984.33,1857.52
  MidLayer1 w6: v2(1975,3215) 1990,3200 2655,3200 v1(2680,3225)
  MidLayer2 w6: v3(2964.65,1877.2) 2984.33,1896.89 2984.33,1967.63 2999.7,1983 2999.7,2366.33 2966,2400.03 2966,2946 v1(2975,2955)
  Bottom Layer w6: v2(1975,3215) 1955,3235 1955,3996.98 v2(1979.01,4020.99)
FIRST_BYTE: U11.85 U29.19 | length 1587.4
  Top Layer w6: U11.85@3874.45,3554.65 4010,3554.65 ; 4010,3555 4120,3555 v1(4170,3505) ; v1(4580,2580) 4585.67,2574.33 U29.19@4585.67,2465
  MidLayer1 w6: v1(4170,3505) 4270.6,3505 4580,3195.6 v1(4580,2580)
FLAG_B: U9.A3 U11.70 | length 2542.4
  Top Layer w6: U9.A3@2708.74,2015 2708.74,2090 2760,2141.26 2760,2300 v1(2725,2335) ; v1(3725,3680) 3725,3770 3804.92,3849.92 U11.70@3890,3849.92
  Bottom Layer w6: v1(2725,2335) 2725,2917.91 3092.6,3285.51 3295,3285.51 3689.49,3680 v1(3725,3680)